# Altium PCB slave_card_pcb.PcbDoc (part 2 of 2)
Units mil, origin at the board's own origin, x right, y up, seen from the top; angles counter-clockwise.
Board outline 6496.06 x 7381.89 mil, 4 copper layers (Top Layer, Int1 (GND), Int2 (PWR), Bottom Layer), stack 53.912 mil thick; 88 components, 78 nets, 383 pads, 133 vias.
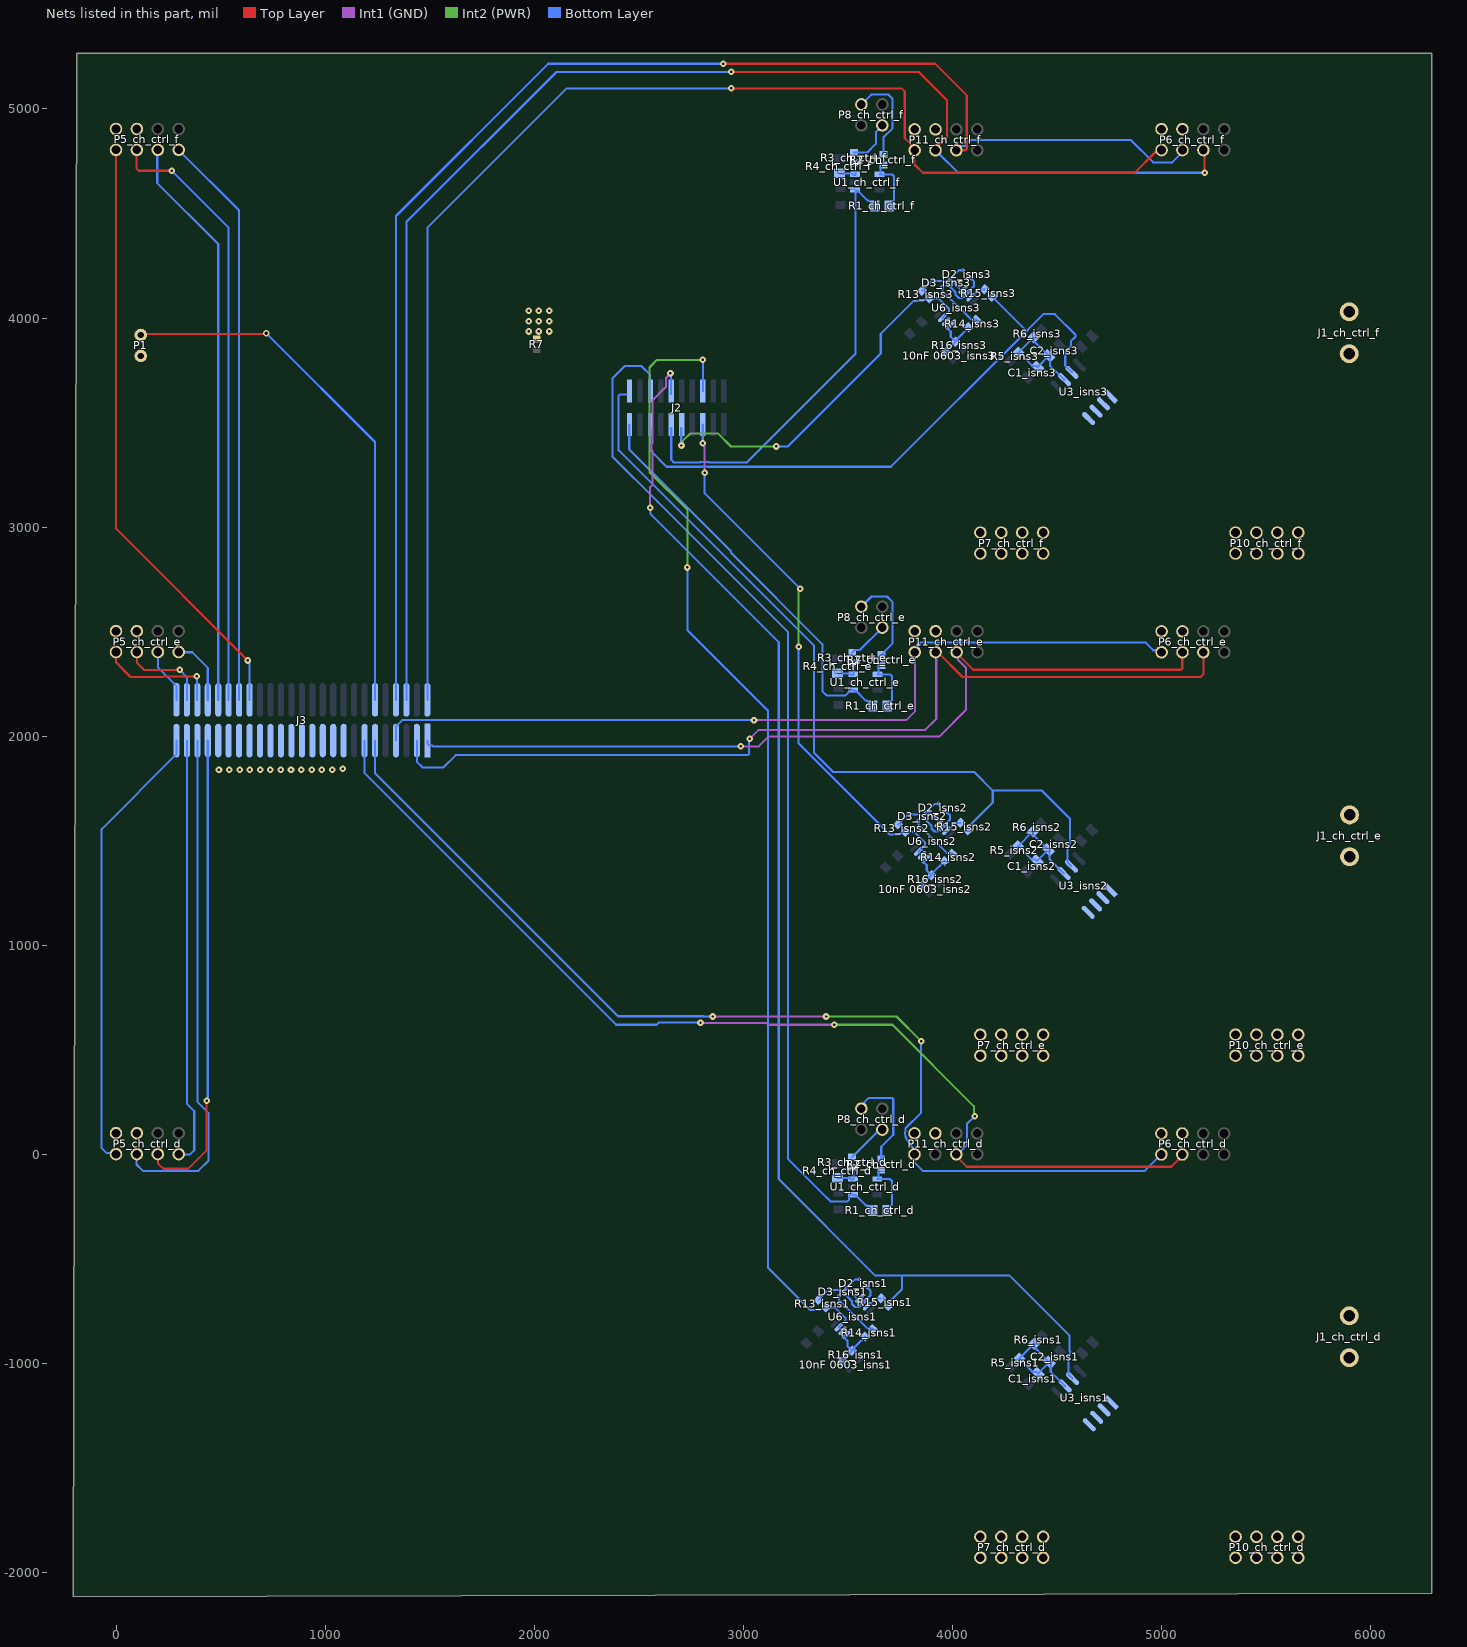
[diagram p4: the nets of this part, all layers, seen from the top]

## Via types
v1: diameter 31.5, hole 11.81, Top Layer to Bottom Layer, tented both sides, 132 vias
v2: diameter 31.5, hole 15.75, Top Layer to Bottom Layer, 1 vias

## Nets (pads, with @x,y where several pads share a name; then routed paths per layer and width w, separated by ;. In a path a pad name is that pad's centre, name@x,y a point inside that pad or via, vN(x,y) a via of type N, cw(c..) or ccw(c..) an arc to the next point about the centre after c; other vN are vias at no path point) (continued)
brgd_h_che: J3.2 P6_ch_ctrl_e.3 P11_ch_ctrl_e.5 | length 4477.7
  Top Layer w10: P11_ch_ctrl_e.5@3933.06,2398.59 4048.19,2283.46 5187.01,2283.46 5200.28,2296.74 P6_ch_ctrl_e.3@5200.28,2403.18
  Int1 (GND) w10: v1(3031.5,1988.19) 3073.45,2030.15 3870.7,2030.15 3923,2082.45 P11_ch_ctrl_e.5@3923,2400.03
  Bottom Layer w10: J3.2@1438.58,1979.13 1438.58,1878.35 1466.54,1850.39 1564.96,1850.39 1624.02,1909.45 3021.65,1909.45 3027.54,1915.34 3027.54,1984.23 v1(3031.5,1988.19)
brgd_h_chf: J3.48 P6_ch_ctrl_f.3 P11_ch_ctrl_f.5 | length 6929.4
  Top Layer w10: v1(2942.91,5177.17) 3838.58,5177.17 3974.29,5041.46 3974.29,4866.28 3919.29,4811.28 P11_ch_ctrl_f.5@3919.29,4802.65 ; v1(5206.69,4694.88) P6_ch_ctrl_f.3@5206.69,4802.93
  Bottom Layer w10: J3.48@1388.58,2174.02 1388.58,4459.45 2106.3,5177.17 v1(2942.91,5177.17) ; P11_ch_ctrl_f.5@3938.91,4811.99 3936.04,4809.12 3936.04,4786.73 4027.89,4694.88 v1(5206.69,4694.88)
brgd_l_chd: J3.7 P6_ch_ctrl_d.5 P11_ch_ctrl_d.3 | length 5155.9
  Top Layer w10: P11_ch_ctrl_d.3@4011.1,-1.46 4068.7,-59.06 5047.15,-59.06 P6_ch_ctrl_d.5@5112.9,6.7
  Int1 (GND) w10: v1(2795.28,629.92) 2796.5,628.7 3109.4,628.7 3118.02,620.08 v1(3435.04,620.08)
  Int2 (PWR) w10: v1(3435.04,620.08) 3713.35,620.08 4102.89,230.54 4102.89,187.22 v1(4107.01,183.1)
  Bottom Layer w10: J3.7@1188.58,1979.13 1188.58,1823.23 2391.73,620.08 2585.67,620.08 2595.52,629.92 v1(2795.28,629.92) ; P11_ch_ctrl_d.3@4026.33,0.69 4069,43.36 4069,145.1 v1(4107.01,183.1)
brgd_l_che: J3.1 P6_ch_ctrl_e.5 P11_ch_ctrl_e.3 | length 4172.8
  Top Layer w10: P11_ch_ctrl_e.3@4033.05,2415.58 4033.05,2384.27 4099.51,2317.81 5093.71,2317.81 5099.56,2323.67 P6_ch_ctrl_e.5@5099.56,2405.41
  Int1 (GND) w10: v1(2986.84,1951.62) 3073.67,1951.62 3120.08,1998.03 3937.01,1998.03 4064.96,2125.98 4064.96,2327.38 4026.81,2365.53 4026.81,2395.56 P11_ch_ctrl_e.3@4020,2402.36
  Bottom Layer w10: J3.1@1488.58,1979.13 1488.58,1964.99 1498.15,1955.42 1512.29,1955.42 1516.1,1951.62 v1(2986.84,1951.62)
brgd_l_chf: J3.47 P6_ch_ctrl_f.5 P11_ch_ctrl_f.3 | length 6903.7
  Top Layer w10: v1(2903.54,5216.54) 3917.32,5216.54 4068.53,5065.33 4068.53,4808.5 4062.67,4802.65 P11_ch_ctrl_f.3@4019.29,4802.65
  Bottom Layer w10: J3.47@1338.58,2174.02 1338.58,4488.19 2066.93,5216.54 v1(2903.54,5216.54) ; P11_ch_ctrl_f.3@4019.29,4802.65 4039.45,4822.8 4055.64,4822.8 4057.25,4822.81 4058.77,4823.31 ccw(c4055.64,4832.8) 4063.91,4827.18 cw(c4137.21,4777.68) 4079.7,4844.88 ccw(c4073.13,4852.42) 4080.69,4845.88 cw(c4093.6,4834.62) 4085.3,4849.6 cw(c4090.13,4840.85) 4090.13,4850.85 4854.19,4850.85 4960.63,4744.41 5051.55,4744.41 P6_ch_ctrl_f.5@5115.62,4808.48
buck_en_ch_ctrl_d: J3.24 P5_ch_ctrl_d.1 | length 2056.3
  Bottom Layer w10: P5_ch_ctrl_d.1@300,0 354.33,0 374.02,19.68 374.02,206.69 338.58,242.13 J3.24@338.58,1979.13
buck_en_ch_ctrl_e: J3.29 P5_ch_ctrl_e.1 | length 322.6
  Bottom Layer w10: P5_ch_ctrl_e.1@300,2401.57 364.17,2401.57 438.58,2327.17 J3.29@438.58,2174.02
buck_en_ch_ctrl_f: J3.32 P5_ch_ctrl_f.1 | length 2748.7
  Bottom Layer w10: P5_ch_ctrl_f.1@300,4803.15 588.58,4514.57 J3.32@588.58,2174.02
buck_h_ch_ctrl_d: J3.22 P5_ch_ctrl_d.3 | length 2284.9
  Top Layer w10: P5_ch_ctrl_d.3@200,0 200,-42.52 226.38,-68.9 344.49,-68.9 433.07,19.69 v1(433.07,255.91)
  Bottom Layer w10: v1(433.07,255.91) 438.58,261.42 J3.22@438.58,1979.13
buck_h_ch_ctrl_e: J3.26 P5_ch_ctrl_e.3 | length 264.3
  Bottom Layer w10: P5_ch_ctrl_e.3@200,2401.57 200,2329.53 288.58,2240.94 J3.26@288.58,2174.02
buck_h_ch_ctrl_f: J3.30 P5_ch_ctrl_f.3 | length 2751.3
  Bottom Layer w10: P5_ch_ctrl_f.3@200,4803.15 196.85,4800 196.85,4645.67 488.58,4353.94 J3.30@488.58,2174.02
buck_l_ch_ctrl_d: J3.23 P5_ch_ctrl_d.5 | length 2458.6
  Bottom Layer w10: P5_ch_ctrl_d.5@100,0 97.81,-2.19 97.81,-48.59 127.95,-78.74 393.7,-78.74 442.91,-29.53 442.91,196.85 388.58,251.18 J3.23@388.58,1979.13
buck_l_ch_ctrl_e: J3.27 P5_ch_ctrl_e.5 | length 426
  Top Layer w10: P5_ch_ctrl_e.5@100,2401.57 100,2350.79 133.79,2317 v1(303.77,2317)
  Bottom Layer w10: v1(303.77,2317) 338.58,2282.18 J3.27@338.58,2174.02
buck_l_ch_ctrl_f: J3.31 P5_ch_ctrl_f.5 | length 2904.4
  Top Layer w10: P5_ch_ctrl_f.5@100,4803.15 98.43,4801.57 98.43,4714.57 108.27,4704.72 v1(265.75,4704.72)
  Bottom Layer w10: v1(265.75,4704.72) 538.58,4431.89 J3.31@538.58,2174.02
buck_state_ch_ctrl_d: J3.25 P5_ch_ctrl_d.7 | length 2178.8
  Bottom Layer w10: P5_ch_ctrl_d.7@0,0 -5.63,5.63 -45,5.63 -68.9,29.53 -68.9,1555.71 288.58,1913.19 J3.25@288.58,1979.13
buck_state_ch_ctrl_e: J3.28 P5_ch_ctrl_e.7 | length 579.8
  Top Layer w10: P5_ch_ctrl_e.7@0,2401.57 0,2352.36 68.9,2283.46 222.07,2283.46 224.86,2286.25 383.85,2286.25 v1(385.27,2287.67)
  Bottom Layer w10: v1(385.27,2287.67) 386.93,2286.02 386.93,2175.67 J3.28@388.58,2174.02
buck_state_ch_ctrl_f: J3.33 P5_ch_ctrl_f.7 | length 2893.6
  Top Layer w10: P5_ch_ctrl_f.7@0,4803.15 0,2992.13 v1(629.92,2362.2)
  Bottom Layer w10: v1(629.92,2362.2) 629.92,2356.39 638.58,2347.73 J3.33@638.58,2174.02
GND: J3.9 J3.10 J3.11 J3.12 J3.13 J3.14 J3.15 J3.16 J3.17 J3.18 J3.19 J3.20 J3.21 P1.1 P5_ch_ctrl_d.6 P5_ch_ctrl_d.8 P5_ch_ctrl_e.6 P5_ch_ctrl_e.8 P5_ch_ctrl_f.6 P5_ch_ctrl_f.8 P6_ch_ctrl_d.6 P6_ch_ctrl_d.8 P6_ch_ctrl_e.6 P6_ch_ctrl_e.8 P6_ch_ctrl_f.6 P6_ch_ctrl_f.8 P11_ch_ctrl_d.6 P11_ch_ctrl_d.8 P11_ch_ctrl_e.6 P11_ch_ctrl_e.8 P11_ch_ctrl_f.6 P11_ch_ctrl_f.8 R7.2
  other v1: 492.13,1840.55 541.34,1840.55 590.55,1840.55 639.76,1840.55 688.98,1840.55 738.19,1840.55 787.4,1840.55 836.61,1840.55 885.83,1840.55 935.04,1840.55 984.25,1840.55 1033.46,1840.55 1084.85,1844.6 1972.83,3935.83 2022.05,3935.83 2071.26,3935.83 1972.83,3985.04 2022.05,3985.04 2071.26,3985.04 1972.83,4034.25 2022.05,4034.25 2071.26,4034.25
i_sense_isns1: J2.11 R15_isns1.1 U3_isns1.7 | length 6345.6
  Int1 (GND) w10: v1(2553.99,3093) 2553.99,3191.27 2566.34,3203.61 2566.34,3364.07 2560.25,3370.15 2560.25,3395.62 2566.34,3401.71 2566.34,3608.07 2630.32,3672.05 2630.32,3713.25 2651.6,3734.54 v1(2651.6,3735.45)
  Bottom Layer w10: v1(2553.99,3093) 2556.43,3090.57 2556.43,3062.25 3169.29,2449.39 3169.29,-118.11 3631.1,-579.92 3759.84,-579.92 ; J2.11@2651.6,3636.39 2653.75,3638.54 2653.75,3733.3 v1(2651.6,3735.45) ; R15_isns1.1@3695.65,-724.95 3695.65,-708.36 3759.84,-644.16 3759.84,-579.92 ; U3_isns1.7@4575.12,-1072.12 4555.63,-1052.64 4555.63,-962.37 4563.28,-954.73 4563.28,-942.3 4561.01,-940.04 4561.01,-866.92 4274.02,-579.92 3759.84,-579.92
i_sense_isns2: J2.19 R15_isns2.1 U3_isns2.7 | length 3981.5
  Bottom Layer w10: 2440.94,3635.2 2409.79,3635.2 2403.94,3629.34 2403.94,3367.6 3338.98,2432.56 3338.98,1919.53 3428.76,1829.74 4103.13,1829.74 4192.91,1739.96 ; R15_isns2.1@4075.71,1549.27 4070.81,1549.27 4064.96,1555.12 4192.91,1683.07 4192.91,1739.96 ; U3_isns2.7@4569.7,1378.74 4550.21,1398.23 4550.21,1472.67 4562.71,1485.17 4562.71,1605.71 4428.46,1739.96 4192.91,1739.96
i_sense_isns3: J2.16 R15_isns3.1 U3_isns3.7 | length 2964.4
  Bottom Layer w10: J2.16@2556.92,3474.36 2556.92,3364.61 2632.8,3288.72 2800.36,3288.72 2802.22,3290.59 2827.7,3290.59 2829.56,3288.72 3705.65,3288.72 4354.61,3937.68 4358.07,3941.14 ; R15_isns3.1@4190.64,4101.66 4351.16,3941.14 4358.07,3941.14 ; U3_isns3.7@4571.91,3740.49 4549.82,3762.58 4549.62,3762.58 4539.76,3772.44 4539.76,3837.58 4566.34,3864.15 4566.34,3888.58 4588.77,3911.02 4588.77,3919.3 4489.57,4018.5 4435.43,4018.5 4358.07,3941.14
i_sense_peak_d: J2.5 R13_isns1.2 U6_isns1.6 U6_isns1.7 | length 5519.3
  Int2 (PWR) w10: v1(2732.28,2807.09) 2732.28,3082.68 2551.18,3263.78 2551.18,3763.78 2587.27,3799.87 2796.7,3799.87 v1@2799.21,3802.38
  Bottom Layer w10: v1(2732.28,2807.09) 2732.28,2507.87 3118.11,2122.05 3118.11,-542.17 3320.1,-744.16 3367.54,-744.16 3379.79,-731.91 R13_isns1.2@3396.38,-731.91 3397.77,-730.52 3414.36,-730.52 3415.76,-731.91 3438.14,-731.91 3489.64,-783.41 3489.64,-793.49 U6_isns1.7@3458.49,-824.64 ; J2.5@2805.91,3650.79 2806.27,3651.15 2806.27,3799.5 v1(2806.63,3799.87) ; U6_isns1.7@3456.93,-825.87 3457.26,-825.87 U6_isns1.7@3458.49,-824.64 ; U6_isns1.6@3475.02,-843.96 3458.49,-827.43 U6_isns1.7@3458.49,-824.64
i_sense_peak_e: J2.6 R13_isns2.2 U6_isns2.6 U6_isns2.7 | length 2618.2
  Int1 (GND) w10: v1(2806.39,3401.8) 2806.39,3395.98 2814.96,3387.41 v1(2814.96,3259.84)
  Int2 (PWR) w10: v1(3264.34,2428.16) 3264.34,2697.41 v1(3271.65,2704.72)
  Bottom Layer w10: J2.6@2805.91,3490.79 2806.15,3490.54 2806.15,3402.04 v1(2806.39,3401.8) ; v1(2814.96,3259.84) 2814.96,3161.42 v1(3271.65,2704.72) ; v1(3264.34,2428.16) 3263.78,2428.72 3263.78,1966.44 3700.16,1530.06 3747.6,1530.06 3759.85,1542.31 R13_isns2.2@3776.44,1542.31 3777.83,1543.7 3794.42,1543.7 3795.82,1542.31 3818.2,1542.31 3869.7,1490.81 3869.7,1480.73 U6_isns2.7@3838.55,1449.58 ; U6_isns2.7@3836.99,1448.35 3837.32,1448.35 U6_isns2.7@3838.55,1449.58 ; U6_isns2.6@3855.08,1430.26 3838.55,1446.79 U6_isns2.7@3838.55,1449.58
i_sense_peak_f: J2.10 R13_isns3.2 U6_isns3.6 U6_isns3.7 | length 1878
  Int2 (PWR) w10: v1(2704.27,3390.42) 2708.23,3394.38 2708.23,3409.95 2747.1,3448.82 2877.95,3448.82 2940.94,3385.83 v1(3157.48,3385.83)
  Bottom Layer w10: J2.10@2703.35,3474.65 2703.35,3391.34 v1(2704.27,3390.42) ; v1(3157.48,3385.83) 3212.6,3385.83 3657.48,3830.71 3657.48,3924.84 3815.09,4082.45 3862.53,4082.45 3874.78,4094.7 R13_isns3.2@3891.37,4094.7 3892.76,4096.09 3909.35,4096.09 3910.75,4094.7 3933.13,4094.7 3984.63,4043.2 3984.63,4033.12 U6_isns3.7@3953.48,4001.97 ; U6_isns3.7@3951.92,4000.74 3952.25,4000.74 U6_isns3.7@3953.48,4001.97 ; U6_isns3.6@3970.02,3982.65 3953.48,3999.18 U6_isns3.7@3953.48,4001.97
input_relay: J3.45 P1.2 | length 2572.4
  Top Layer w10: P1.2@118.1,3918.9 122.27,3923.05 714.39,3923.05 v2(718.5,3927.17)
  Bottom Layer w10: v2(718.5,3927.17) 1238.58,3407.09 J3.45@1238.58,2174.02
lega_state_ch_ctrl_d: J3.6 P6_ch_ctrl_d.7 P11_ch_ctrl_d.7 | length 5169.9
  Int1 (GND) w10: v1(2854.33,659.45) v1(3395.67,659.45)
  Int2 (PWR) w10: v1(3395.67,659.45) 3732.8,659.45 v1(3850.79,541.45)
  Bottom Layer w10: J3.6@1238.58,1979.13 1238.58,1822.44 2400.35,660.67 2808.01,660.67 2809.23,659.45 v1(2854.33,659.45) ; 3777.8,80.76 3775.18,83.38 3775.18,89.52 cw(c3818.86,100.35) 3775.18,111.17 3775.18,123.6 3850.79,199.22 v1(3850.79,541.45) ; 3777.84,80.72 3778.89,79.67 ccw(c4065.29,227.88) 3832.97,4.23 3832.97,-0.03 P11_ch_ctrl_d.7@3837.26,-0.14 ; P11_ch_ctrl_d.7@3818.86,0.35 3813.2,-5.31 3813.2,-33.67 3858.27,-78.74 4920.91,-78.74 4989.8,-9.84 4990.16,-9.84 4999.29,-0.71 P6_ch_ctrl_d.7@4999.29,-0.35
lega_state_ch_ctrl_e: J3.4 P6_ch_ctrl_e.7 P11_ch_ctrl_e.7 | length 4095.7
  Int1 (GND) w10: v1(3051.18,2076.77) 3779.53,2076.77 3822.07,2119.31 P11_ch_ctrl_e.7@3822.07,2403.8
  Bottom Layer w10: J3.4@1338.58,1979.13 1338.58,2047.24 1368.11,2076.77 v1(3051.18,2076.77) ; P11_ch_ctrl_e.7@3820,2402.36 3820,2415.89 3838.58,2434.48 3838.58,2440.94 3845,2447.36 4924.68,2447.36 4960.89,2411.16 4990.91,2411.16 P6_ch_ctrl_e.7@5000.47,2401.59
lega_state_ch_ctrl_f: J3.50 P6_ch_ctrl_f.7 P11_ch_ctrl_f.7 | length 6449.8
  Top Layer w10: v1(2942.91,5098.43) 3758.21,5098.43 3772.06,5084.58 3772.06,4859.83 3829.24,4802.65 P11_ch_ctrl_f.7@3819.29,4802.65 3818.9,4802.25 3818.9,4734.25 3858.27,4694.88 4872.05,4694.88 4971.24,4794.08 4990.75,4794.08 P6_ch_ctrl_f.7@5000.32,4803.65
  Bottom Layer w10: J3.50@1488.58,2174.02 1488.58,4431.5 2155.51,5098.43 v1(2942.91,5098.43)
"Net10nF 0603_isns1_2": "10nF 0603_isns1.2" R14_isns1.2 R16_isns1.2 U6_isns1.5 | length 259.9
  Bottom Layer w10: 3471.55,-988.03 R16_isns1.2@3520.26,-939.31 ; U6_isns1.5@3493.12,-862.06 3483.02,-872.16 3483.02,-877.2 3497.37,-891.55 3497.37,-916.41 R16_isns1.2@3520.26,-939.31 ; R14_isns1.2@3582.9,-871.1 3524.44,-929.57 3524.44,-935.13 R16_isns1.2@3520.26,-939.31
"Net10nF 0603_isns2_2": "10nF 0603_isns2.2" R14_isns2.2 R16_isns2.2 U6_isns2.5 | length 259.9
  Bottom Layer w10: 3851.6,1286.19 R16_isns2.2@3900.32,1334.91 ; U6_isns2.5@3873.18,1412.16 3863.08,1402.06 3863.08,1397.02 3877.43,1382.67 3877.43,1357.81 R16_isns2.2@3900.32,1334.91 ; R14_isns2.2@3962.96,1403.11 3904.5,1344.65 3904.5,1339.08 R16_isns2.2@3900.32,1334.91
"Net10nF 0603_isns3_2": "10nF 0603_isns3.2" R14_isns3.2 R16_isns3.2 U6_isns3.5 | length 259.9
  Bottom Layer w10: 3966.54,3838.58 R16_isns3.2@4015.25,3887.3 ; U6_isns3.5@3988.11,3964.55 3978.01,3954.45 3978.01,3949.41 3992.36,3935.06 3992.36,3910.2 R16_isns3.2@4015.25,3887.3 ; R14_isns3.2@4077.89,3955.51 4019.43,3897.04 4019.43,3891.48 R16_isns3.2@4015.25,3887.3
NetC1_isns1_1: C1_isns1.1 C2_isns1.2 R5_isns1.1 R6_isns1.2 U3_isns1.6 | length 559.7
  Bottom Layer w10: U3_isns1.6@4539.76,-1107.48 4537.5,-1107.48 4470.33,-1040.31 4470.33,-1000.02 C2_isns1.2@4464.06,-993.75 ; C2_isns1.2@4464.06,-993.75 4390.29,-919.98 R6_isns1.2@4390.29,-906.06 R5_isns1.1@4320,-976.35 4384.72,-1041.08 4404.21,-1041.08 C1_isns1.1@4410.47,-1047.34 C2_isns1.2@4464.06,-993.75
NetC1_isns2_1: C1_isns2.1 C2_isns2.2 R5_isns2.1 R6_isns2.2 U3_isns2.6 | length 559.7
  Bottom Layer w10: U3_isns2.6@4534.34,1343.38 4532.08,1343.39 4464.91,1410.56 4464.91,1450.85 C2_isns2.2@4458.64,1457.11 ; C2_isns2.2@4458.64,1457.11 4384.87,1530.89 R6_isns2.2@4384.87,1544.8 R5_isns2.1@4314.58,1474.51 4379.3,1409.79 4398.79,1409.79 C1_isns2.1@4405.05,1403.52 C2_isns2.2@4458.64,1457.11
NetC1_isns3_1: C1_isns3.1 C2_isns3.2 R5_isns3.1 R6_isns3.2 U3_isns3.6 | length 559.7
  Bottom Layer w10: U3_isns3.6@4536.55,3705.13 4534.29,3705.13 4467.12,3772.3 4467.12,3812.59 C2_isns3.2@4460.85,3818.86 ; C2_isns3.2@4460.85,3818.86 C1_isns3.1@4407.26,3765.27 4401,3771.53 4381.51,3771.53 R5_isns3.1@4316.79,3836.26 R6_isns3.2@4387.08,3906.55 4387.08,3892.63 C2_isns3.2@4460.85,3818.86
NetD2_isns1_1: D2_isns1.1 D3_isns1.2 U6_isns1.1 | length 164
  Bottom Layer w10: D2_isns1.1@3554.78,-598.01 3553.67,-596.89 3549.61,-596.89 3548.49,-598.01 3535.85,-598.01 D3_isns1.2@3494.09,-639.76 3547.95,-693.62 3552.99,-693.62 U6_isns1.1@3555.76,-690.85
NetD2_isns1_2: D2_isns1.2 R13_isns1.1 U6_isns1.2 | length 378
  Bottom Layer w10: R13_isns1.1@3360.19,-695.72 3406.65,-649.26 3466.93,-649.26 3520.07,-702.4 3520.07,-715.81 3534.18,-729.93 3550.78,-729.93 3571.76,-708.94 U6_isns1.2@3573.85,-708.94 3607.96,-674.84 3607.96,-651.18 D2_isns1.2@3591.53,-634.75
NetD2_isns2_1: D2_isns2.1 D3_isns2.2 U6_isns2.1 | length 163.9
  Bottom Layer w10: D2_isns2.1@3933.73,1677.33 3929.66,1677.33 3928.55,1676.21 3915.91,1676.21 3876.67,1636.98 D3_isns2.2@3874.15,1634.45 3875.27,1635.57 3879.33,1635.57 3879.96,1634.94 3889.01,1634.94 3935.68,1588.27 3935.68,1583.51 U6_isns2.1@3935.82,1583.37
NetD2_isns2_2: D2_isns2.2 R13_isns2.1 U6_isns2.2 | length 378
  Bottom Layer w10: R13_isns2.1@3740.25,1578.5 3786.71,1624.96 3846.99,1624.96 3900.13,1571.81 3900.13,1558.41 3914.24,1544.29 3930.84,1544.29 3951.82,1565.27 U6_isns2.2@3953.91,1565.27 3988.02,1599.38 3988.02,1623.04 D2_isns2.2@3971.59,1639.47
NetD2_isns3_1: D2_isns3.1 D3_isns3.2 U6_isns3.1 | length 164
  Bottom Layer w10: D2_isns3.1@4049.77,4228.61 4048.66,4229.72 4044.6,4229.72 4043.48,4228.6 4030.84,4228.6 D3_isns3.2@3989.08,4186.85 4042.94,4132.99 4047.98,4132.99 U6_isns3.1@4050.75,4135.76
NetD2_isns3_2: D2_isns3.2 R13_isns3.1 U6_isns3.2 | length 378
  Bottom Layer w10: R13_isns3.1@3855.18,4130.89 3901.64,4177.35 3961.92,4177.35 4015.06,4124.21 4015.06,4110.8 4029.17,4096.68 4045.77,4096.68 4066.76,4117.67 U6_isns3.2@4068.84,4117.67 4102.95,4151.77 4102.95,4175.43 D2_isns3.2@4086.52,4191.86
NetD3_isns1_1: D3_isns1.1 R14_isns1.1 | length 239.3
  Bottom Layer w10: D3_isns1.1@3457.35,-676.51 3456.23,-677.62 3456.23,-681.69 3457.35,-682.8 3457.35,-695.33 3595.54,-833.52 3617.7,-833.52 R14_isns1.1@3619.09,-834.91
NetD3_isns2_1: D3_isns2.1 R14_isns2.1 | length 239.3
  Bottom Layer w10: D3_isns2.1@3837.41,1597.71 3836.29,1596.59 3836.29,1592.53 3837.41,1591.42 3837.41,1578.89 3975.6,1440.7 3997.76,1440.7 R14_isns2.1@3999.15,1439.3
NetD3_isns3_1: D3_isns3.1 R14_isns3.1 | length 239.3
  Bottom Layer w10: D3_isns3.1@3952.34,4150.1 3951.22,4148.99 3951.22,4144.92 3952.34,4143.81 3952.34,4131.28 4090.53,3993.09 4112.69,3993.09 R14_isns3.1@4114.08,3991.7
NetJ1_ch_ctrl_d_1: J1_ch_ctrl_d.1 P10_ch_ctrl_d.1 P10_ch_ctrl_d.2 P10_ch_ctrl_d.3 P10_ch_ctrl_d.4 P10_ch_ctrl_d.5 P10_ch_ctrl_d.6 P10_ch_ctrl_d.7 P10_ch_ctrl_d.8
NetJ1_ch_ctrl_d_2: J1_ch_ctrl_d.2 U3_isns1.1 U3_isns1.2
NetJ1_ch_ctrl_e_1: J1_ch_ctrl_e.1 P10_ch_ctrl_e.1 P10_ch_ctrl_e.2 P10_ch_ctrl_e.3 P10_ch_ctrl_e.4 P10_ch_ctrl_e.5 P10_ch_ctrl_e.6 P10_ch_ctrl_e.7 P10_ch_ctrl_e.8
NetJ1_ch_ctrl_e_2: J1_ch_ctrl_e.2 U3_isns2.1 U3_isns2.2
NetJ1_ch_ctrl_f_1: J1_ch_ctrl_f.1 P10_ch_ctrl_f.1 P10_ch_ctrl_f.2 P10_ch_ctrl_f.3 P10_ch_ctrl_f.4 P10_ch_ctrl_f.5 P10_ch_ctrl_f.6 P10_ch_ctrl_f.7 P10_ch_ctrl_f.8
NetJ1_ch_ctrl_f_2: J1_ch_ctrl_f.2 U3_isns3.1 U3_isns3.2
NetP7_ch_ctrl_d_1: P7_ch_ctrl_d.1 P7_ch_ctrl_d.2 P7_ch_ctrl_d.3 P7_ch_ctrl_d.4 P7_ch_ctrl_d.5 P7_ch_ctrl_d.6 P7_ch_ctrl_d.7 P7_ch_ctrl_d.8 U3_isns1.3 U3_isns1.4
NetP7_ch_ctrl_e_1: P7_ch_ctrl_e.1 P7_ch_ctrl_e.2 P7_ch_ctrl_e.3 P7_ch_ctrl_e.4 P7_ch_ctrl_e.5 P7_ch_ctrl_e.6 P7_ch_ctrl_e.7 P7_ch_ctrl_e.8 U3_isns2.3 U3_isns2.4
NetP7_ch_ctrl_f_1: P7_ch_ctrl_f.1 P7_ch_ctrl_f.2 P7_ch_ctrl_f.3 P7_ch_ctrl_f.4 P7_ch_ctrl_f.5 P7_ch_ctrl_f.6 P7_ch_ctrl_f.7 P7_ch_ctrl_f.8 U3_isns3.3 U3_isns3.4
NetR1_ch_ctrl_d_1: R1_ch_ctrl_d.1 R2_ch_ctrl_d.2 U1_ch_ctrl_d.4 | length 271
  Bottom Layer w10: U1_ch_ctrl_d.4@3640.61,-117.61 3646.22,-117.61 3701.13,-117.61 3710.99,-127.47 3710.99,-241.59 3688.17,-264.41 R1_ch_ctrl_d.1@3688.17,-268.35 ; U1_ch_ctrl_d.4@3646.22,-113.35 3646.22,-85.67 3657.95,-73.94 R2_ch_ctrl_d.2@3659.92,-73.94
NetR1_ch_ctrl_e_1: R1_ch_ctrl_e.1 R2_ch_ctrl_e.2 U1_ch_ctrl_e.4 | length 271
  Bottom Layer w10: U1_ch_ctrl_e.4@3641.67,2295.62 3647.28,2295.62 3702.19,2295.62 3712.05,2285.76 3712.05,2171.64 3689.23,2148.82 R1_ch_ctrl_e.1@3689.23,2144.88 ; U1_ch_ctrl_e.4@3647.28,2299.88 3647.28,2327.56 3659.02,2339.29 R2_ch_ctrl_e.2@3660.98,2339.29
NetR1_ch_ctrl_f_1: R1_ch_ctrl_f.1 R2_ch_ctrl_f.2 U1_ch_ctrl_f.4 | length 271
  Bottom Layer w10: U1_ch_ctrl_f.4@3650.73,4687.21 3656.34,4687.21 3711.25,4687.21 3721.11,4677.35 3721.11,4563.23 3698.28,4540.41 R1_ch_ctrl_f.1@3698.28,4536.47 ; U1_ch_ctrl_f.4@3656.34,4691.47 3656.34,4719.15 3668.07,4730.88 R2_ch_ctrl_f.2@3670.04,4730.88
NetR3_ch_ctrl_d_2: R3_ch_ctrl_d.2 R4_ch_ctrl_d.2 U1_ch_ctrl_d.3 | length 140.2
  Bottom Layer w10: R4_ch_ctrl_d.2@3449.92,-112.8 3507.87,-112.8 3516.02,-120.94 3526.85,-120.94 3526.85,-70.87 R3_ch_ctrl_d.2@3519.92,-63.94
NetR3_ch_ctrl_e_2: R3_ch_ctrl_e.2 R4_ch_ctrl_e.2 U1_ch_ctrl_e.3 | length 140.2
  Bottom Layer w10: R4_ch_ctrl_e.2@3450.98,2300.43 3508.94,2300.43 3517.09,2292.28 3527.91,2292.28 3527.91,2342.36 R3_ch_ctrl_e.2@3520.98,2349.29
NetR3_ch_ctrl_f_2: R3_ch_ctrl_f.2 R4_ch_ctrl_f.2 U1_ch_ctrl_f.3 | length 140.2
  Bottom Layer w10: R4_ch_ctrl_f.2@3460.04,4692.02 3517.99,4692.02 3526.14,4683.87 3536.97,4683.87 3536.97,4733.95 R3_ch_ctrl_f.2@3530.04,4740.88
NetR15_isns1_2: R15_isns1.2 U6_isns1.3 | length 84.3
  Bottom Layer w10: U6_isns1.3@3591.95,-727.04 3594.04,-727.04 3625.95,-695.12 3632.06,-689.02 3640.34,-689.02 3641.47,-690.15 3658.07,-690.15 R15_isns1.2@3659.46,-688.76
NetR15_isns2_2: R15_isns2.2 U6_isns2.3 | length 84.3
  Bottom Layer w10: U6_isns2.3@3972.01,1547.18 3974.1,1547.18 4006.01,1579.1 4012.12,1585.2 4020.4,1585.2 4021.53,1584.07 4038.13,1584.07 R15_isns2.2@4039.52,1585.46
NetR15_isns3_2: R15_isns3.2 U6_isns3.3 | length 84.3
  Bottom Layer w10: U6_isns3.3@4086.94,4099.57 4089.03,4099.57 4120.94,4131.49 4127.05,4137.59 4135.33,4137.59 4136.46,4136.46 4153.06,4136.46 R15_isns3.2@4154.45,4137.85
vdcmm_ch_ctrl_d: P8_ch_ctrl_d.3 R3_ch_ctrl_d.1 | length 199.2
  Bottom Layer w10: R3_ch_ctrl_d.1@3519.92,-12.76 3521.89,-12.76 3653.29,118.65 P8_ch_ctrl_d.3@3664.67,118.65
vdcmm_ch_ctrl_e: P8_ch_ctrl_e.3 R3_ch_ctrl_e.1 | length 193
  Bottom Layer w10: R3_ch_ctrl_e.1@3520.98,2400.47 3532.72,2412.2 3557.23,2412.2 P8_ch_ctrl_e.3@3664.67,2519.65
vdcmm_ch_ctrl_f: P8_ch_ctrl_f.3 R3_ch_ctrl_f.1 | length 222.1
  Bottom Layer w10: R3_ch_ctrl_f.1@3530.04,4792.06 3592.85,4792.06 3634.25,4833.46 3634.25,4888.42 3664.67,4918.84 P8_ch_ctrl_f.3@3664.67,4921.65
vdcmp_ch_ctrl_d: P8_ch_ctrl_d.2 R2_ch_ctrl_d.1 | length 496.2
  Bottom Layer w10: P8_ch_ctrl_d.2@3564.67,218.65 3564.67,232.18 3578.57,246.08 3578.57,248.38 3600.32,270.13 3711.29,270.13 3717.15,264.27 3717.15,93.53 3659.92,36.3 R2_ch_ctrl_d.1@3659.92,-22.76
vdcmp_ch_ctrl_e: P8_ch_ctrl_e.2 R2_ch_ctrl_e.1 | length 453.8
  Bottom Layer w10: P8_ch_ctrl_e.2@3564.67,2619.65 3613.13,2668.11 3687.45,2668.11 3712.99,2642.57 3712.99,2442.48 3674.68,2404.17 3674.68,2402.2 3662.95,2390.47 R2_ch_ctrl_e.1@3660.98,2390.47
vdcmp_ch_ctrl_f: P8_ch_ctrl_f.2 R2_ch_ctrl_f.1 | length 461.2
  Bottom Layer w10: P8_ch_ctrl_f.2@3564.67,5021.65 3611.61,5068.58 3694.41,5068.58 3712.99,5050 3712.99,4906.33 3670.04,4863.38 R2_ch_ctrl_f.1@3670.04,4782.06
vsense_chd: J2.15 R1_ch_ctrl_d.2 U1_ch_ctrl_d.1 | length 4934.9
  Bottom Layer w10: J2.15@2554.44,3630.52 2554.44,3728.24 2512.2,3770.47 2433.46,3770.47 2374.41,3711.42 2374.41,3337.4 2590.94,3120.87 3212.8,2499.01 3212.8,-20.67 3378.35,-186.22 3417.72,-225.59 3496.46,-225.59 3505.85,-216.2 3505.85,-200.21 3513.64,-192.42 U1_ch_ctrl_d.1@3524.47,-192.42 ; U1_ch_ctrl_d.1@3526.85,-195.75 3537.68,-195.75 3584.92,-242.99 3584.92,-243.35 3589.41,-243.35 3610.47,-264.41 R1_ch_ctrl_d.2@3610.47,-268.35
vsense_che: J2.20 R1_ch_ctrl_e.2 U1_ch_ctrl_e.1 | length 1940.6
  Bottom Layer w10: J2.20@2455.91,3490.79 2454.53,3489.41 2454.53,3371.38 2941.26,2884.65 2941.26,2876.94 3378.35,2439.86 3378.35,2215.35 3398.03,2195.67 3489.56,2195.67 3514.71,2220.81 U1_ch_ctrl_e.1@3525.53,2220.81 ; U1_ch_ctrl_e.1@3527.91,2217.48 3538.74,2217.48 3585.98,2170.24 3585.98,2169.88 3590.47,2169.88 3611.54,2148.82 R1_ch_ctrl_e.2@3611.54,2144.88
vsense_chf: J2.12 R1_ch_ctrl_f.2 U1_ch_ctrl_f.1 | length 2151
  Bottom Layer w10: J2.12@2655.18,3473.27 2655.18,3321.86 2668.31,3308.72 2792.07,3308.72 2793.94,3310.59 2835.98,3310.59 2837.85,3308.72 3015.02,3308.72 3536.97,3830.67 3536.97,4609.07 3547.8,4609.07 3595.04,4561.83 3595.04,4561.47 3599.53,4561.47 3620.59,4540.41 R1_ch_ctrl_f.2@3620.59,4536.47
pads on no net: J3.44 J3.46

## Polygon pours and split planes (outlines as drawn)
AGND on Top Layer "NONET_L02_P-001" (solid, pour order 3): 1868.35,3868.9 3255.17,3868.9 3255.17,2874.02 1868.35,2874.02
AGND on Top Layer "NONET_L02_P-001" (solid, pour order 0): 4809.62,3915.47 4612.77,4112.32 4350.07,4337.5 3968.52,4322.85 3620.2,3974.53 3077.34,3974.53 3077.34,2734.37 3471.04,2734.37 4337.18,3600.51 4494.66,3600.51
AGND on Top Layer "NONET_L02_P-001" (solid, pour order 2): 3077.34,2773.74 3707.26,2970.59 3707.26,1880.08 3951.06,1880.08 4815.44,1726.22 4297.81,1198.94 4120.12,987.37 3951.06,974.56 3707.26,974.56 3707.26,-1320.75 3077.34,-1320.75
AGND on Top Layer "NONET_L02_P-001" (solid, pour order 1): 4780.59,-858.64 4612.77,-690.83 4415.92,-477.21 3410.25,-477.21 3410.25,-1320.75 4318.48,-1320.75
GND on Top Layer "NONET_L01_P-001" (solid, pour order 31): 1929.13,3883.19 1929.13,4070.87 2096.46,4070.87 2096.46,3883.19
AGND on Top Layer "NONET_L02_P-001" (solid, pour order 4): 3392.3,5066.85 3746.63,5066.85 3746.63,3954.84 3392.3,3954.84
+3.3 on Int1 (GND) "NONET_L02_P-001" (solid, pour order 16): 3153.09,2694.01 4019.23,2694.01 4019.23,2575.9 5397.44,2581.62 5397.44,2345.4 5318.05,2254.72 3153.09,2254.72 3153.09,2345.4
+5A on Int1 (GND) "NONET_L02_P-001" (solid, pour order 13): 2669.69,3806.22 3417.72,3806.22 3417.72,4975.49 3732.68,4975.49 3732.68,4157.48 3917.32,4157.48 3917.32,3763.78 3732.68,3763.78 3732.68,1720.85 3890.16,1720.85 4153.54,1720.85 4153.54,1145.67 3890.16,1145.67 3890.16,285.43 3732.68,285.43 3732.68,-993.31 3732.68,-1150.79 2669.69,-1150.79 2669.69,463.39 3338.98,463.39 3338.98,1447.64 2669.69,1447.64 2669.69,2235.04 2669.69,3326.22
+3.3 on Int1 (GND) "NONET_L02_P-001" (solid, pour order 15): 3338.98,5246.85 3338.98,-1446.06 -105.91,-1446.06 -105.91,5246.85
+3.3 on Int1 (GND) "NONET_L02_P-001" (solid, pour order 14): 3142.13,5246.85 4677.56,5246.85 4677.56,4974.04 5386.47,4976.98 5386.47,4740.76 5312.53,4656.3 3142.13,4656.3 3142.13,4740.76
+3.3 on Int1 (GND) "NONET_L02_P-001" (solid, pour order 30): 3156.87,276.89 4023.01,276.89 4023.01,158.78 5401.21,164.51 5401.21,-127.17 3156.87,-127.17
GND on Int2 (PWR) "NONET_L02_P-001" (solid, pour order 18): 3161.87,281.17 4028.01,281.17 4028.01,163.06 5406.21,168.78 5406.21,-393.7 3161.87,-393.7
GND on Int2 (PWR) "NONET_L02_P-001" (solid, pour order 17): -105.91,5246.85 3338.98,5246.85 3338.98,4085.43 2136.61,4085.43 2135.67,3907.48 1823.23,3907.48 1823.23,3772.05 1823.23,3002.76 3338.98,3002.76 3740.16,3002.76 3740.16,1584.65 3338.98,1584.65 3338.98,-1446.06 -105.91,-1446.06
GND on Int2 (PWR) "NONET_L02_P-001" (solid, pour order 20): 3141.85,5089.04 4007.99,5089.04 4007.99,4970.93 5386.2,4976.65 5386.2,4740.43 3141.85,4740.43
GND on Int2 (PWR) "NONET_L02_P-001" (solid, pour order 19): 3144.66,3002.76 4010.8,3002.76 4010.8,2558.93 5389.01,2564.65 5389.01,2283.46 4202.76,2283.46 4205.67,1933.35 3139.24,1930.11 3144.66,2283.46
+3.3 on Bottom Layer "NONET_L01_P-001" (solid, pour order 33): 669.29,2342.52 1161.42,2342.52 1161.42,2096.46 669.29,2096.46
GND on Bottom Layer "NONET_L01_P-001" (solid, pour order 32): 462.6,2066.93 1112.2,2066.93 1112.2,1801.18 462.6,1801.18
NetP7_ch_ctrl_d_1 on Bottom Layer "NONET_L02_P-001" (solid, pour order 27): 4086.61,-1997.24 4520.08,-1997.24 4520.08,-1564.17 4759.92,-1324.34 4662.71,-1227.13 4086.61,-1803.23
NetJ1_ch_ctrl_f_1 on Bottom Layer "NONET_L02_P-001" (solid, pour order 23): 5973.14,2802.39 5973.14,3865.38 5815.66,3865.38 5299.21,3133.74 5299.21,2802.39
NetP7_ch_ctrl_f_1 on Bottom Layer "NONET_L02_P-001" (solid, pour order 21): 4082.68,2805.91 4520.08,2805.91 4520.08,3238.98 4767.39,3486.28 4664.5,3589.17 4082.68,3007.35
NetJ1_ch_ctrl_f_2 on Bottom Layer "NONET_L02_P-001" (solid, pour order 22): 4786.86,3508.3 4683.8,3611.36 4797.64,3725.2 4874.41,3750.79 5228.74,4105.12 5976.77,4105.12 5976.77,3947.64 5740.55,3947.64
NetJ1_ch_ctrl_d_2 on Bottom Layer "NONET_L02_P-001" (solid, pour order 28): 4780.8,-1297.65 4684.85,-1201.7 4814.07,-1072.47 4874.41,-1052.36 5228.74,-698.03 5976.77,-698.03 5976.77,-855.51 5740.55,-855.51
NetJ1_ch_ctrl_d_1 on Bottom Layer "NONET_L02_P-001" (solid, pour order 29): 5974.54,-1998.63 5974.54,-935.64 5817.06,-935.64 5295.28,-1674.83 5295.28,-1998.63
NetP7_ch_ctrl_e_1 on Bottom Layer "NONET_L02_P-001" (solid, pour order 24): 4082.68,404.33 4520.08,404.33 4520.08,837.4 4787.55,1104.87 4671.7,1220.73 4082.68,631.71
NetJ1_ch_ctrl_e_1 on Bottom Layer "NONET_L02_P-001" (solid, pour order 26): 5975.99,406.83 5975.99,1469.82 5818.51,1469.82 5295.28,728.57 5295.28,406.83
NetJ1_ch_ctrl_e_2 on Bottom Layer "NONET_L02_P-001" (solid, pour order 25): 4811.28,1117.97 4687.85,1241.39 4756.3,1309.84 4874.41,1349.21 5228.74,1703.54 5976.77,1703.54 5976.77,1546.06 5740.55,1546.06

## Keep-outs
Keep-Out Layer:
  lines w10: -196.85,-2037.4 -196.85,5275.59 6299.21,5275.59 6299.21,-2037.4 -196.85,-2037.4

## Silkscreen, mask and mechanical layers (free items; w line width, h text height)
Bottom Overlay:
  drawing of 37 lines, arcs and shapes, not listed
  text "Channel F" at 6112.05,4232.44 h60
  text "." at 2802,3723.49 h60
  text "." at 2552.76,3721.05 h60
  text "." at 4832.19,3627.83 h60
  text "." at 2453.06,3418.05 h60
  text "." at 2702.79,3417.56 h60
  text "." at 2907.07,3417.56 h60
  text "50" at 1509.43,2281.76 h60
  text "." at 735.08,2272.62 h60
  text "." at 986.54,2271.33 h60
  text "." at 1485.6,2270.9 h60
  text "." at 484.48,2267.9 h60
  text "." at 1235,2268.76 h60
  text "26" at 202.39,2237.78 h60
  text "." at 787,1882.13 h60
  text "." at 1037.61,1881.27 h60
  text "." at 1287.35,1881.27 h60
  text "." at 535.97,1879.12 h60
  text "1" at 1538.96,1857.91 h60
  text "25" at 198.06,1826.51 h60
  text "Channel E" at 6141.57,1811.18 h60
  text "." at 4807.03,1274.5 h60
  text "Channel D" at 6131.73,-580.55 h60
  text "." at 4815.04,-1172.22 h60
  text "MDriver Follower v1.00" at 1171.1,-1938.82 h60
Mechanical 1:
  text "[x] Checked Mechanical Positioining of Connectors and Locked Positions" at -80.55,5364.64 h60